# Altium PCB motordriver-v5.2.PcbDoc (part 4 of 7)
Units mil, origin at the board's own origin, x right, y up, seen from the top; angles counter-clockwise.
Board outline 4530.01 x 6141.73 mil, 6 copper layers (Top Copper, GND Layer 1, Signal Layer 1, Signal Layer 2, PWR Layer, Bottom Copper), stack 58.2 mil thick; 778 components, 542 nets, 2552 pads, 1095 vias.
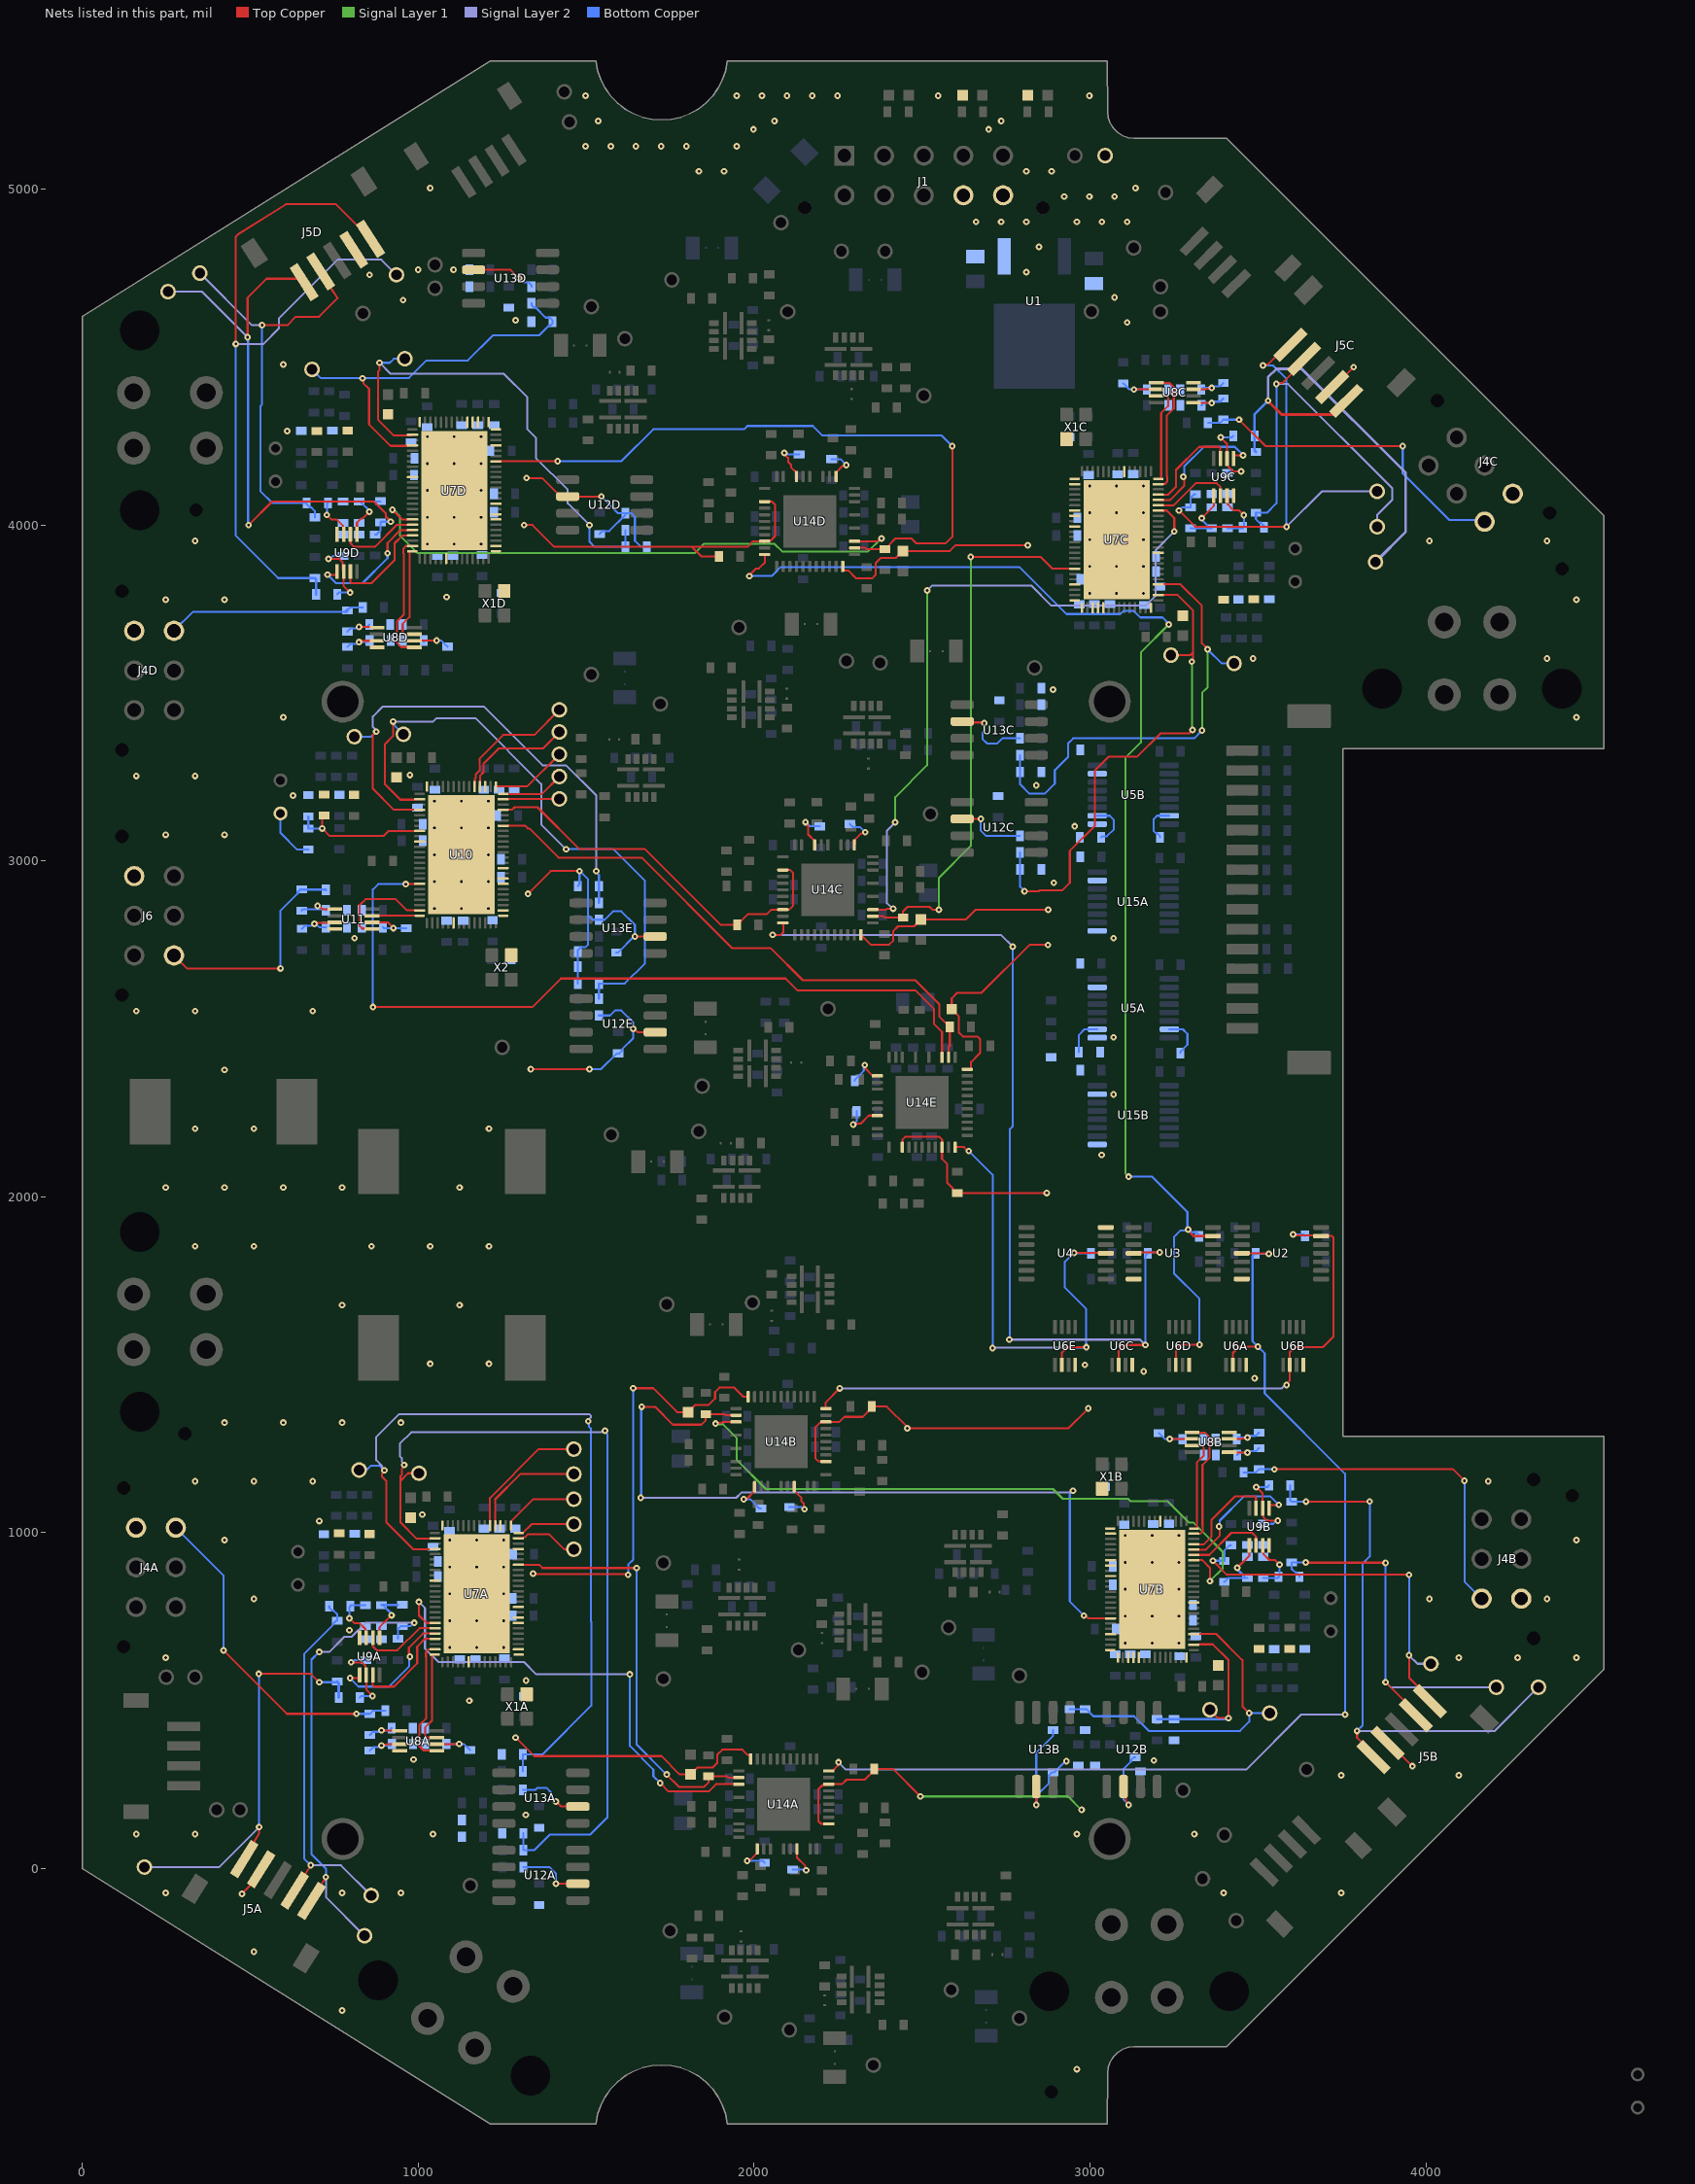
[diagram p8: the nets of this part, all layers, seen from the top]

## Via types
v1: diameter 19.68, hole 7.87, Top Copper to Bottom Copper, tented both sides, 751 vias
v2: diameter 19.68, hole 7.87, Top Copper to Bottom Copper, 276 vias
v3: diameter 30, hole 15, Top Copper to Bottom Copper, tented both sides, 54 vias
v4: diameter 31.5, hole 17.72, Top Copper to Bottom Copper, tented both sides, 14 vias

## Nets (pads, with @x,y where several pads share a name; then routed paths per layer and width w, separated by ;. In a path a pad name is that pad's centre, name@x,y a point inside that pad or via, vN(x,y) a via of type N, cw(c..) or ccw(c..) an arc to the next point about the centre after c; other vN are vias at no path point) (continued)
CUR_UA: C53A.2 R55A.2 TP11A.1 U7A.16 | length 2554
  Top Copper w6: v1(958.13,1201.46) 958.13,1197.76 951.64,1191.26 951.64,1172.58 946.8,1167.74 946.8,1154.34 ; TP11A.1@1001.99,1177.07 969.52,1177.07 946.8,1154.34 ; U7A.16@1050.05,983.55 1049.58,983.07 994.45,983.07 946.8,1030.73 946.8,1154.34
  Signal Layer 2 w6: v1(958.13,1201.46) 958.13,1204.56 950.87,1211.82 950.87,1222.19 945,1228.06 945,1265 979.2,1299.2 1544.51,1299.2 1546.53,1301.22 1553.38,1301.22 v1(1556,1303.84)
  Bottom Copper w6: C53A.2@1312.99,105 R55A.2@1312.99,55 1345,55 1391.09,101.09 1405.6,101.09 1511.09,101.09 1563.5,153.5 1563.5,1292.64 1556,1300.14 v1(1556,1303.84)
CUR_UB: C53B.2 R55B.2 TP11B.1 U7B.16 | length 575.1
  Top Copper w6: U7B.16@3308.93,666.4 3310.01,667.49 3325.33,667.49 3325.62,667.78 3365.75,667.78 3412.18,621.34 v1(3412.18,448.19) 3381.68,448.19 TP11B.1@3356.99,472.88
  Bottom Copper w6: R55B.2@3200,445 3405.29,445 3408.48,448.19 v1(3412.18,448.19)
CUR_UC: C53C.2 R55C.2 TP11C.1 U7C.16 | length 1520.6
  Top Copper w6: v1(2805,2910) 2847.27,2910 2850.11,2912.84 2917.84,2912.84 2940,2935 2940,3030 3015,3105 3015,3270 3055,3310 3140,3310 3210,3380 3295,3380 v1(3305,3390) ; U7C.16@3202.93,3791.3 3204.01,3792.38 3219.33,3792.38 3219.62,3792.67 3259.75,3792.67 3306.18,3746.24 3306.18,3620.5 ; TP11C.1@3240.99,3612.78 3298.46,3612.78 3306.18,3620.5 ; v1(3303.13,3593.31) 3306.18,3600.15 3306.18,3620.5
  Signal Layer 1 w6: v1(3303.13,3593.31) 3304.06,3592.37 3304.06,3390.94 v1(3305,3390)
  Bottom Copper w6: R55C.2@2792.01,3025 C53C.2@2792.01,2975 2792.01,2922.99 v1(2805,2910)
CUR_UD: C53D.2 R55D.2 TP11D.1 U7D.16 | length 1527.2
  Top Copper w6: v1(884.99,4483.07) 884.99,4461.81 879.8,4456.62 879.8,4313.61 926.23,4267.17 966.36,4267.17 966.65,4267.46 981.97,4267.46 U7D.16@983.05,4268.55
  Signal Layer 2 w6: v1(884.99,4483.07) 918.06,4450 1255,4450 1325,4380 1325,4285 1350,4260 1350,4200 1445,4105 1445,4065 v1(1510,4000)
  Bottom Copper w6: v1(884.99,4483.07) 915.09,4483.07 927.02,4495 TP11D.1@960,4495 ; v1(1510,4000) 1510,3950 1525,3935 C53D.2@1617.01,3935 R55D.2@1617.01,3985
CUR_UE: C53E.2 R55E.2 TP20.1 U10.16 | length 1847.8
  Top Copper w6: v1(925,3415) 925,3371.96 900.61,3347.57 900.61,3228.77 947.04,3182.33 987.17,3182.33 987.46,3182.62 1002.78,3182.62 U10.16@1003.86,3183.71
  Signal Layer 2 w6: v1(925,3415) 1044.35,3415 1054.35,3425 1170,3425 1366,3229 1366,3109 v1(1440,3035)
  Bottom Copper w6: v1(925,3415) 927.62,3412.38 927.62,3405.41 TP20.1@955.8,3377.23 ; v1(1440,3035) 1581.23,3035 1675,2941.23 1675,2695 1615,2635 C53E.2@1537.99,2635 R55E.2@1537.99,2590
CUR_WA: C56A.2 R56A.2 TP12A.1 U7A.18 | length 2390
  Top Copper w6: v1(899.26,1185.54) 899.26,1182.59 891.85,1175.18 891.85,1166.7 905,1153.55 905,1030.77 984.59,951.18 1049.18,951.18 U7A.18@1050.05,952.05
  Signal Layer 2 w6: v1(899.26,1185.54) 899.26,1188.05 891.4,1195.9 891.4,1199.64 875,1216.05 875,1285.2 942.16,1352.36 1509.99,1352.36 1513.5,1348.84 1513.5,1343.25 1506,1335.75 v1(1506,1332.04)
  Bottom Copper w6: TP12A.1@823.99,1187.07 826.9,1189.98 849.48,1189.98 859.5,1200 884.8,1200 v1(899.26,1185.54) ; R56A.2@1311.5,290 C56A.2@1311.5,340 1370,340 1515,485 1515,734.63 1513.5,736.13 1513.5,1310.23 1508.62,1315.12 1508.62,1329.43 v1(1506,1332.04)
CUR_WB: C56B.2 R56B.2 TP12B.1 U7B.18 | length 1002.5
  Top Copper w6: U7B.18@3308.93,697.9 3310.01,698.99 3325.33,698.99 3325.62,699.27 3374.6,699.27 3451.99,621.88 3454.18,619.69 3454.18,482.69 v1(3473.99,462.88)
  Bottom Copper w6: R56B.2@2940,475 C56B.2@2985,475 2988.94,475 3010.13,453.8 3131.2,453.8 3175,410 3446.49,410 3473.99,437.5 v1(3473.99,462.88) TP12B.1@3534.99,462.88
CUR_WC: C56C.2 R56C.2 TP12C.1 U7C.18 | length 1404
  Top Copper w6: U7C.18@3202.93,3822.79 3204.01,3823.88 3219.33,3823.88 3219.62,3824.17 3268.6,3824.17 3333.29,3759.48 3333.29,3648.25 3350,3631.54 v1(3350,3630)
  Signal Layer 1 w6: v1(3333.56,3388.56) 3333.56,3500.33 3350,3516.77 v1(3350,3630)
  Bottom Copper w6: R56C.2@2792.01,3315 C56C.2@2792.01,3265 2792.01,3227.99 2820,3200 2865,3200 2895,3230 2895,3270 2935,3310 2935,3350 2950,3365 3310,3365 v1(3333.56,3388.56) ; v1(3350,3630) 3392.22,3587.78 TP12C.1@3428.99,3587.78
CUR_WD: C56D.2 R56D.2 TP12D.1 U7D.18 | length 1195.5
  Top Copper w6: v1(834,4437.07) 836.81,4434.26 836.81,4422.48 853.52,4405.76 853.52,4299.54 917.38,4235.68 966.36,4235.68 966.65,4235.97 981.97,4235.97 U7D.18@983.05,4237.05
  Bottom Copper w6: TP12D.1@680.88,4466.54 TP12D.1@684,4463.42 710.1,4437.33 v1@833.75,4437.33 ; v1(834,4437.07) 848.77,4437.07 ; 848.84,4437 848.77,4437.07 ; R56D.2@1337.01,4660 1337.01,4656.06 1345.82,4647.25 1349.76,4647.25 1379.26,4617.75 1391.19,4617.75 1400,4608.94 C56D.2@1400,4605 1400,4601.06 1391.19,4592.25 1387.25,4592.25 1360,4565 1222.82,4565 1147.82,4490 1024.8,4490 972.6,4437.8 849.5,4437.8 848.77,4437.07
CUR_WE: C56E.2 R56E.2 TP21.1 U10.18 | length 1570.5
  Top Copper w6: v1(875,3385) 865,3375 865,3215 927.79,3152.21 U10.18@1004.49,3152.21
  Signal Layer 2 w6: v1(875,3385) 875,3388.7 865,3398.7 865,3430 895,3460 1195,3460 1370,3285 1440,3285 1530,3195 v1(1530,2970)
  Bottom Copper w6: TP21.1@810,3370 860,3370 v1(875,3385) ; v1(1530,2970) 1530,2966.3 1537.99,2958.3 R56E.2@1537.99,2875
CVA: C63A.1 U14A.35 | length 115.8
  Top Copper w6: U14A.35@2127.43,58.54 2127.43,32.81 2152.38,7.85 2152.38,-2.38 v1(2155,-5)
  Bottom Copper w6: C63A.1@2115,-2.99 2152.99,-2.99 v1(2155,-5)
CVB: C63B.1 U14B.35 | length 127.8
  Top Copper w6: U14B.35@2119.55,1137.28 2119.55,1125.47 2140,1105.02 2140,1095 2147.38,1087.62 2147.38,1072.62 v1(2150,1070)
  Bottom Copper w6: C63B.1@2105,1077.01 2139.29,1077.01 2146.3,1070 v1(2150,1070)
CVC: C63C.1 U14C.35 | length 126.6
  Top Copper w6: v1(2152.61,3115.56) 2152.61,3111.86 2160.67,3103.79 2160.67,3079.12 2180.07,3059.72 U14C.35@2180.07,3047.91
  Bottom Copper w6: v1(2152.61,3115.56) 2154.12,3115.56 2166.69,3102.99 C63C.1@2195,3102.99
CVD: C63D.1 U14D.35 | length 132.4
  Top Copper w6: v1(2090,4215) 2090,4211.3 2101.31,4199.99 2101.31,4188.69 2110,4180 2110,4172.37 2125.97,4156.4 U14D.35@2125.97,4144.59
  Bottom Copper w6: v1(2090,4215) 2095,4210 C63D.1@2135,4210
CVE: C63E.1 U14E.35 | length 126.8
  Top Copper w6: v1(2295,2215) 2297.62,2217.62 2316.93,2217.62 2341.35,2242.04 U14E.35@2366.47,2242.04
  Bottom Copper w6: v1(2295,2215) 2305,2225 C63E.1@2305,2255
CWA: C71A.1 U14A.30 | length 105.6
  Top Copper w6: v1(1979.35,23.14) 1981.97,25.76 1988.34,25.76 2009.31,46.73 U14A.30@2009.31,58.54
  Bottom Copper w6: v1(1979.35,23.14) 2025.84,23.14 C71A.1@2031.21,17.77
CWB: C71B.1 U14B.30 | length 118.2
  Top Copper w6: v1(1968.98,1099.94) 1971.79,1102.75 1980.03,1102.75 1999.02,1121.74 1999.02,1134.86 U14B.30@2001.44,1137.28
  Bottom Copper w6: v1(1968.98,1099.94) 1988.13,1099.94 2016.06,1072.01 C71B.1@2020,1072.01
CWC: C71C.1 U14C.30 | length 111.5
  Top Copper w6: U14C.30@2298.18,3047.91 2300.61,3050.33 2300.61,3063.46 2319.59,3082.44 2327.83,3082.44 v1(2330.64,3085.25)
  Bottom Copper w6: C71C.1@2285,3110 2293.81,3101.19 2314.71,3101.19 v1(2330.64,3085.25)
CWD: C71D.1 U14D.30 | length 102.9
  Top Copper w6: U14D.30@2244.08,4144.59 2244.08,4156.4 2263.69,4176.02 2271.99,4176.02 v1(2274.61,4178.63)
  Bottom Copper w6: C71D.1@2230.67,4196.47 2256.77,4196.47 v1(2274.61,4178.63)
CWE: C71E.1 U14E.30 | length 115.3
  Top Copper w6: v1(2329.12,2392.61) 2331.93,2389.8 2331.93,2381.56 2350.92,2362.58 2364.04,2362.58 U14E.30@2366.47,2360.15
  Bottom Copper w6: C71E.1@2300,2345 2300,2348.94 2326.5,2375.44 2326.5,2389.99 v1(2329.12,2392.61)
D\B\G\S\P\I\_\C\S\E: TP22.1 U10.75 | length 168
  Top Copper w6: U10.75@1252.53,3183.71 1253.11,3184.29 1419.29,3184.29 TP22.1@1420,3185
DBGSPI.DBGSPI_MISO: TP4.1 U7A.4 | length 343.6
  Top Copper w6: U7A.4@1229.19,1020.95 1229.19,1099.74 1304.01,1174.57 TP4.1@1462.99,1174.57
DBGSPI.DBGSPI_MOSI: TP3.1 U7A.1 | length 226.4
  Top Copper w6: U7A.1@1276.43,1021.58 1276.43,1034.09 1342.4,1100.07 TP3.1@1462.99,1100.07
DBGSPI.DBGSPI_SCK: TP2.1 U7A.76 | length 175.2
  Top Copper w6: U7A.76@1298.71,999.3 1311.23,999.3 1337.5,1025.57 TP2.1@1462.99,1025.57
DBGSPI.DBGSPI_TRG: TP5.1 U7A.5 | length 392.6
  Top Copper w6: U7A.5@1213.44,1020.95 1213.44,1103.79 1358.72,1249.07 TP5.1@1462.99,1249.07
DBGSPI.~DBGSPI_CS: TP1.1 U7A.75 | length 187.8
  Top Copper w6: U7A.75@1298.08,983.55 1311.23,983.55 1314.39,986.71 1317.49,986.71 1325.78,995 1390,995 1433.93,951.07 TP1.1@1462.99,951.07
DBGSPI_MISOB: U7B.4
DBGSPI_MISOC: U7C.4
DBGSPI_MISOD: U7D.4
DBGSPI_MISOE: TP25.1 U10.4 | length 337.4
  Top Copper w6: U10.4@1183.63,3221.11 1183.63,3253.44 1194.26,3264.08 1194.26,3289.26 1240,3335 1371.25,3335 TP25.1@1420,3383.75
DBGSPI_MOSIB: U7B.1
DBGSPI_MOSIC: U7C.1
DBGSPI_MOSID: U7D.1
DBGSPI_MOSIE: TP24.1 U10.1 | length 228.8
  Top Copper w6: U10.1@1230.87,3221.74 1324.24,3221.74 TP24.1@1420,3317.5
DBGSPI_SCKB: U7B.76
DBGSPI_SCKC: U7C.76
DBGSPI_SCKD: U7D.76
DBGSPI_SCKE: TP23.1 U10.76 | length 188.3
  Top Copper w6: U10.76@1253.16,3199.45 1368.2,3199.45 TP23.1@1420,3251.25
DBGSPI_TRGB: U7B.5
DBGSPI_TRGC: U7C.5
DBGSPI_TRGD: U7D.5
DBGSPI_TRGE: TP26.1 U10.5 | length 387.2
  Top Copper w6: U10.5@1167.88,3221.11 1167.88,3243.76 1171.63,3247.51 1171.63,3258.42 1182.26,3269.05 1182.26,3304.23 1253.03,3375 1345,3375 TP26.1@1420,3450
DIS1A: R14A.1 U5A.7 | length 124.8
  Bottom Copper w6: U5A.7@3236.06,2498.74 3276.26,2498.74 3290,2485 3290,2452.67 3269.53,2432.2 R14A.1@3269.53,2428.26
DIS1B: R14B.1 U5B.7 | length 115.1
  Bottom Copper w6: R14B.1@3208.5,3070 3208.5,3073.94 3199.69,3082.75 3195.76,3082.75 3190,3088.5 3190,3125 3199.74,3134.74 U5B.7@3236.06,3134.74
DIS2A: R15A.1 U5A.10 | length 112.7
  Bottom Copper w6: R15A.1@2967,2430.74 2967,2482 2983.74,2498.74 U5A.10@3021.5,2498.74
DIS2B: R15B.1 U5B.10 | length 131.4
  Bottom Copper w6: U5B.10@3021.5,3134.74 3058.77,3134.74 3071.46,3122.05 3071.46,3094.53 3050.29,3073.35 3036.34,3073.35 R15B.1@3032.99,3070
DRB_TEMPE: C33.2 R45.2 R54.1 U10.22 | length 423.2
  Top Copper w6: C33.2@720,3135 714.31,3129.31 v1(714.31,3096.72) 736.8,3074.23 896.15,3074.23 911.14,3089.22 U10.22@1003.86,3089.22
  Bottom Copper w6: R54.1@672.8,3132.73 R45.2@672.8,3096.72 v1(714.31,3096.72)
DRB_THERME: R41.1 R45.1 | length 161.6
  Bottom Copper w6: R41.1@590,3141.57 590,3083.36 639.63,3033.73 R45.1@672.8,3033.73
DRV_C\S\A: R2.2 U2.4 U6A.2 U14A.10 | length 3359.9
  Top Copper w6: U14A.10@2221.91,290.83 2233.72,290.83 2248.7,305.8 2248.7,314.04 v1(2251.31,316.66) ; U6A.2@3425.24,1500.07 3425.24,1535.32 3443.99,1554.07 v1(3499.99,1554.07) ; U2.4@3451.88,1832.07 3452.38,1831.57 3530.87,1831.57 v1(3532.17,1830.27)
  Signal Layer 2 w6: v1(2251.31,316.66) 2272.97,295 3465,295 3628.93,458.93 3759.22,458.93 v1(3759.43,458.72)
  Bottom Copper w6: v1(3532.17,1830.27) 3494.79,1830.27 R2.2@3492.99,1832.07 3484,1823.08 3484,1570.06 v1(3499.99,1554.07) 3520,1534.06 3520,1415 3758.97,1176.03 3758.97,459.18 v1(3759.43,458.72)
DRV_C\S\B: R4.2 U2.13 U6B.2 U14B.10 | length 2119.7
  Top Copper w6: U14B.10@2214.04,1369.57 2214.04,1371.06 2213.12,1371.99 2213.12,1388.12 v1(2255,1430) ; v1(3585,1440) 3585,1443.7 3594.99,1453.7 U6B.2@3594.99,1500.07 3594.99,1538.07 3609.29,1552.37 3693,1552.37 3724.72,1584.09 3724.72,1878.75 3719.81,1883.66 U2.13@3687.69,1883.66 ; v1(3604.63,1888.25) 3607.13,1885.75 3685.6,1885.75 U2.13@3687.69,1883.66 ; U2.13@3688.1,1883.25 U2.13@3687.69,1883.66
  Signal Layer 2 w6: v1(2255,1430) 3571.3,1430 3581.3,1440 v1(3585,1440)
  Bottom Copper w6: v1(3604.63,1888.25) 3635.81,1888.25 R4.2@3639.99,1884.07
DRV_C\S\C: R6.2 U3.4 U6C.2 U14C.10 | length 2901.1
  Top Copper w6: v1(2055,2780) 2079.6,2780 2086.51,2786.91 2086.51,2813.21 2085.59,2814.13 U14C.10@2085.59,2815.63 ; U6C.2@3085.74,1500.07 3085.74,1541.82 3102.99,1559.07 v1(3164.99,1559.07) ; U3.4@3129.88,1832.07 3132.69,1834.88 v1(3207.84,1834.82) v1(3207.84,1834.82)
  Signal Layer 2 w6: v1(2055,2780) 2735,2780 v1(2770,2745) ; v1(2760,1575) 3149.06,1575 v1(3164.99,1559.07)
  Bottom Copper w6: v1(2760,1575) 2761.82,1576.82 2761.82,2201.82 2770,2210 v1(2770,2745) ; v1(3164.99,1559.07) 3164.99,1825.08 R6.2@3171.98,1832.07 3177.41,1837.5 3180.1,1834.82 v1(3207.84,1834.82)
DRV_C\S\D: R8.2 U3.13 U6D.2 U14D.10 | length 4055.7
  Top Copper w6: v1(1985.77,3848.18) 1985.77,3850.77 2005.95,3870.95 2014.07,3870.95 2032.4,3889.28 2032.4,3909.89 2031.48,3910.81 U14D.10@2031.48,3912.31 ; U6D.2@3255.49,1500.07 3255.49,1543.57 3271.99,1560.07 v1(3325.99,1560.07) ; v1(3292.52,1902.52) 3292.52,1898.82 3308.09,1883.25 U3.13@3366.1,1883.25
  Signal Layer 1 w6: v1(3115,2060) 3115,2060.43 3105.08,2070.36 3105.08,3306.56 3151.41,3352.9 3151.41,3620.88 v1(3234.48,3703.95)
  Bottom Copper w6: v1(1985.77,3848.18) 2052.32,3848.18 2079.14,3875 2790,3875 2930,3735 3090,3735 3100,3745 3130,3745 3150,3725 3216.08,3725 3234.48,3706.6 v1(3234.48,3703.95) ; v1(3115,2060) 3185,2060 3290.08,1954.92 v1@3290.08,1902.52 ; v1(3292.52,1902.52) v1@3290.08,1902.52 ; R8.2@3324.99,1882.07 3324.99,1886.01 3316.18,1894.82 3298.89,1894.82 3293.7,1900 v1@3290,1900 ; v1(3325.99,1560.07) 3325.99,1696.42 3250,1772.41 3250,1880 3257.05,1887.06 3270,1900 v1@3290,1900 ; v1@3290,1900 3290.08,1900.08 v1@3290.08,1902.52
DRV_C\S\E: R10.2 U4.4 U6E.2 U14E.10 | length 1522.7
  Top Copper w6: U14E.10@2598.75,2147.56 2600.25,2147.56 2601.17,2148.48 2624.62,2148.48 2636.54,2136.56 v1(2639.07,2136.56) ; U6E.2@2915.99,1500.07 2915.99,1535.99 2932.16,1552.16 v1(2988.99,1552.16) ; v1(2952.61,1833.56) 2952.93,1833.24 3045.93,1833.24 U4.4@3047.1,1832.07
  Signal Layer 2 w6: v1(2710,1550) 2711.08,1551.08 2987.91,1551.08 v1(2988.99,1552.16)
  Bottom Copper w6: v1(2639.07,2136.56) 2710,2065.63 v1(2710,1550) ; v1(2952.61,1833.56) 2951.8,1833.56 2925,1806.76 2925,1730 2988.99,1666.01 v1(2988.99,1552.16) ; v1@2953.05,1834 2954.99,1832.07 R10.2@3002.99,1832.07
DRV_EN: U10.32 U14E.24 | length 2393.1
  Top Copper w6: v1(865,2565) 1340,2565 1425,2650 2093.62,2650 2128.62,2615 2480,2615 2535,2560 2535,2515.28 2559.38,2490.9 U14E.24@2559.38,2415.27 ; v1(962.99,2931.07) 963.32,2931.4 1003.53,2931.4 U10.32@1003.86,2931.74
  Bottom Copper w6: v1(865,2565) 865,2915 881.07,2931.07 v1(962.99,2931.07)
DRV_ENA: U7A.32 U14A.24 | length 1499.8
  Top Copper w6: v1(1001.99,794.07) 1001.99,754.07 1024.48,731.58 U7A.32@1050.05,731.58 ; v1(1720,255) 1745,230 1865,230 1886.46,251.46 U14A.24@1954.2,251.46
  Signal Layer 2 w6: v1(1001.99,794.07) 1020,776.06 1020,655 1060,615 1315,615 1351.52,578.48 v1(1630,578.48)
  Bottom Copper w6: v1(1630,578.48) 1630,365 1700,295 1700,275 v1(1720,255)
DRV_ENB: U7B.32 U14B.24 | length 1970.3
  Top Copper w6: v1(1885,1325) 1887.1,1327.1 1903.84,1327.1 1906.84,1330.1 1946.22,1330.1 U14B.24@1946.32,1330.2 ; U7B.32@3308.93,918.37 3334.5,918.37 3356.99,895.88 v1(3356.99,855.88)
  Signal Layer 1 w6: v1(1885,1325) 1886.84,1323.16 1906.84,1323.16 1947.52,1282.48 1947.52,1217.48 2035,1130 2890,1130 2918.96,1101.04 3113.96,1101.04 3121.51,1093.49 3231.51,1093.49 3295,1030 3308.56,1030 3395,943.56 3395,893.89 v1(3356.99,855.88)
DRV_ENC: U7C.32 U14C.24 | length 2102.5
  Top Copper w6: U14C.24@2353.3,2855 2392.44,2855 2395.43,2858 v1(2414.28,2858) ; U7C.32@3202.93,4043.27 3228.5,4043.26 3250.99,4020.78 v1(3250.99,3980.78)
  Signal Layer 1 w6: v1(2420,3115) 2420,3190 2515,3285 v1(2515,3805)
  Signal Layer 2 w6: v1(2414.28,2858) 2412,2858 2395.67,2874.33 2395.67,3090.67 v1(2420,3115) ; v1(2515,3805) 2530,3820 2825,3820 2885,3760 3165,3760 3195.56,3790.56 3195.56,3925.35 v1(3250.99,3980.78)
DRV_END: U7D.32 U14D.24 | length 1736.7
  Top Copper w6: v1(922.84,4045.55) 951.81,4016.58 U7D.32@983.05,4016.58 ; U14D.24@2299.19,3951.68 2367.26,3951.68 2375.46,3959.88 v1(2379.17,3959.88)
  Signal Layer 1 w6: v1(922.84,4045.55) 926.54,4045.55 945,4027.1 945,3970 998.84,3916.16 1822.8,3916.16 1850.87,3944.23 2060.6,3944.23 2084.31,3920.51 2338.31,3920.51 2377.68,3959.88 v1(2379.17,3959.88)
ENC_A_CTRLA: U7A.35 U9A.7 | length 306.6
  Top Copper w6: U9A.7@864.83,576.86 864.83,545 867.76,542.07 927.99,542.07 996.82,610.9 996.82,660.98 1020.17,684.34 U7A.35@1050.05,684.34
ENC_A_CTRLB: U7B.35 U9B.7 | length 306.6
  Top Copper w6: U7B.35@3308.93,965.62 3338.81,965.62 3362.16,988.97 3362.16,1039.05 3430.99,1107.88 3491.22,1107.88 3494.15,1104.95 U9B.7@3494.15,1073.1
ENC_A_CTRLC: U7C.35 U9C.7 | length 306.6
  Top Copper w6: U7C.35@3202.93,4090.51 3232.81,4090.51 3256.16,4113.86 3256.16,4163.95 3324.99,4232.78 3385.22,4232.78 3388.15,4229.85 U9C.7@3388.15,4197.99
ENC_A_CTRLD: U7D.35 U9D.7 | length 306.6
  Top Copper w6: U9D.7@797.83,3861.86 797.83,3830 800.76,3827.07 860.99,3827.07 929.58,3895.66 929.58,3945.74 953.17,3969.34 U7D.35@983.05,3969.34
ENC_AA: J5A.5 R32A.2 R35A.1 TP27A.1 | length 1407
  Top Copper w6: J5A.5@682.21,-96.28 710.6,-47.99 v1(725,-25)
  Signal Layer 2 w6: v1(705,645) 735,645 780.21,690.21 801.86,690.21 843.5,731.85 v1(987.99,731.85) ; v1(725,-25) 725,-85 TP27A.1@840,-200
  Bottom Copper w6: v1(705,645) 682.27,622.27 682.27,42.73 725,0 v1(725,-25) ; R32A.2@939.45,684.09 939.45,712.72 949.1,722.37 R35A.1@953.03,722.37 977.78,722.37 987.26,731.85 v1(987.99,731.85)
ENC_AB: J5B.5 R32B.2 R35B.1 TP27B.1 | length 1177.8
  Top Copper w6: v1(3365.99,916.6) 3407.78,874.82 ; 3407.78,875 v1(3950,875) ; v1(3950,635) 3950,568.66 J5B.5@4023.2,495.46
  Signal Layer 2 w6: v1(3950,635) 3975,610 TP27B.1@4015,610
  Bottom Copper w6: v1(3365.99,916.6) 3399.71,916.6 R35B.1@3400,916.31 3400,946.84 3416.05,962.89 R32B.2@3419.99,962.89 ; v1(3950,635) v1(3950,875)
ENC_AC: J5C.5 R32C.2 R35C.1 TP27C.1 | length 1367.5
  Top Copper w6: v1(3264.99,4042.99) 3312.99,3995 v1(3585,3995) ; v1(3515,4475) 3517.62,4477.62 3528.4,4477.62 3578.98,4528.2 J5C.5@3594.54,4528.2
  Signal Layer 2 w6: v1(3585,3995) 3690,4100 TP27C.1@3855,4100
  Bottom Copper w6: v1(3264.99,4042.99) 3265.25,4042.99 3275.25,4052.99 R35C.1@3300,4052.99 3300,4081.62 3310.05,4091.67 R32C.2@3313.99,4091.67 ; v1(3515,4475) 3545,4475 3585,4435 v1(3585,3995)
ENC_AD: J5D.5 R32D.2 R35D.1 TP27D.1 | length 1725.6
  Top Copper w6: v1(491.85,4559.16) 491.85,4676.85 548.34,4733.34 649.77,4733.34 J5D.5@660.03,4723.07 ; v1(495,4000) 565,4070 867.84,4070 903.54,4034.3 903.54,4025.07 917.84,4010.76 v1(917.84,4009.96)
  Signal Layer 2 w6: TP27D.1@255,4695 356.01,4695 v1(491.85,4559.16)
  Bottom Copper w6: v1(491.85,4559.16) 493.42,4557.58 493.42,4001.58 v1(495,4000) ; R32D.2@871.99,3972.06 875.93,3972.06 887.54,3983.68 R35D.1@887.54,4008.22 889.29,4009.96 v1(917.84,4009.96)
ENC_B_CTRLA: U7A.34 U9A.5 | length 393.9
  Top Copper w6: v1(796.99,567.07) 823.3,567.07 U9A.5@825.46,569.23 ; v1(974.99,631.07) 972.18,633.88 972.18,658.26 1014.01,700.08 U7A.34@1050.05,700.08
  Bottom Copper w6: v1(796.99,567.07) 821.99,542.07 912.88,542.07 972.65,601.84 972.65,628.73 v1(974.99,631.07)
ENC_B_CTRLB: U7B.34 U9B.5 | length 386.9
  Top Copper w6: U7B.34@3308.93,949.87 3344.97,949.87 3386.8,991.69 3386.8,1016.07 v1(3383.99,1018.88) ; U9B.5@3533.52,1080.73 3535.68,1082.88 v2(3561.99,1082.88)
  Bottom Copper w6: v1(3383.99,1018.88) 3386.33,1021.23 3386.33,1036.23 3457.99,1107.88 3536.99,1107.88 v2(3561.99,1082.88)
ENC_B_CTRLC: U7C.34 U9C.5 | length 394.5
  Top Copper w6: U7C.34@3202.93,4074.76 3238.97,4074.76 3280.8,4116.59 3280.8,4140.97 v1(3277.99,4143.78) ; U9C.5@3427.52,4205.62 3429.68,4207.78 v1(3455.99,4207.78)
  Bottom Copper w6: v1(3277.99,4143.78) 3280.33,4146.12 3280.33,4174.13 3338.97,4232.78 3430.99,4232.78 v1(3455.99,4207.78)
ENC_B_CTRLD: U7D.34 U9D.5 | length 384.6